# KiCad board microsdmapper.kicad_pcb
title: microSDMapper v1.2; date: 2023-08-27; rev: 1.2; company: The Retro Hacker; note: Original circuit by Luciano Sturaro; note: Reloaded by Cristiano Goncalves; note: microSDMapper v1.2
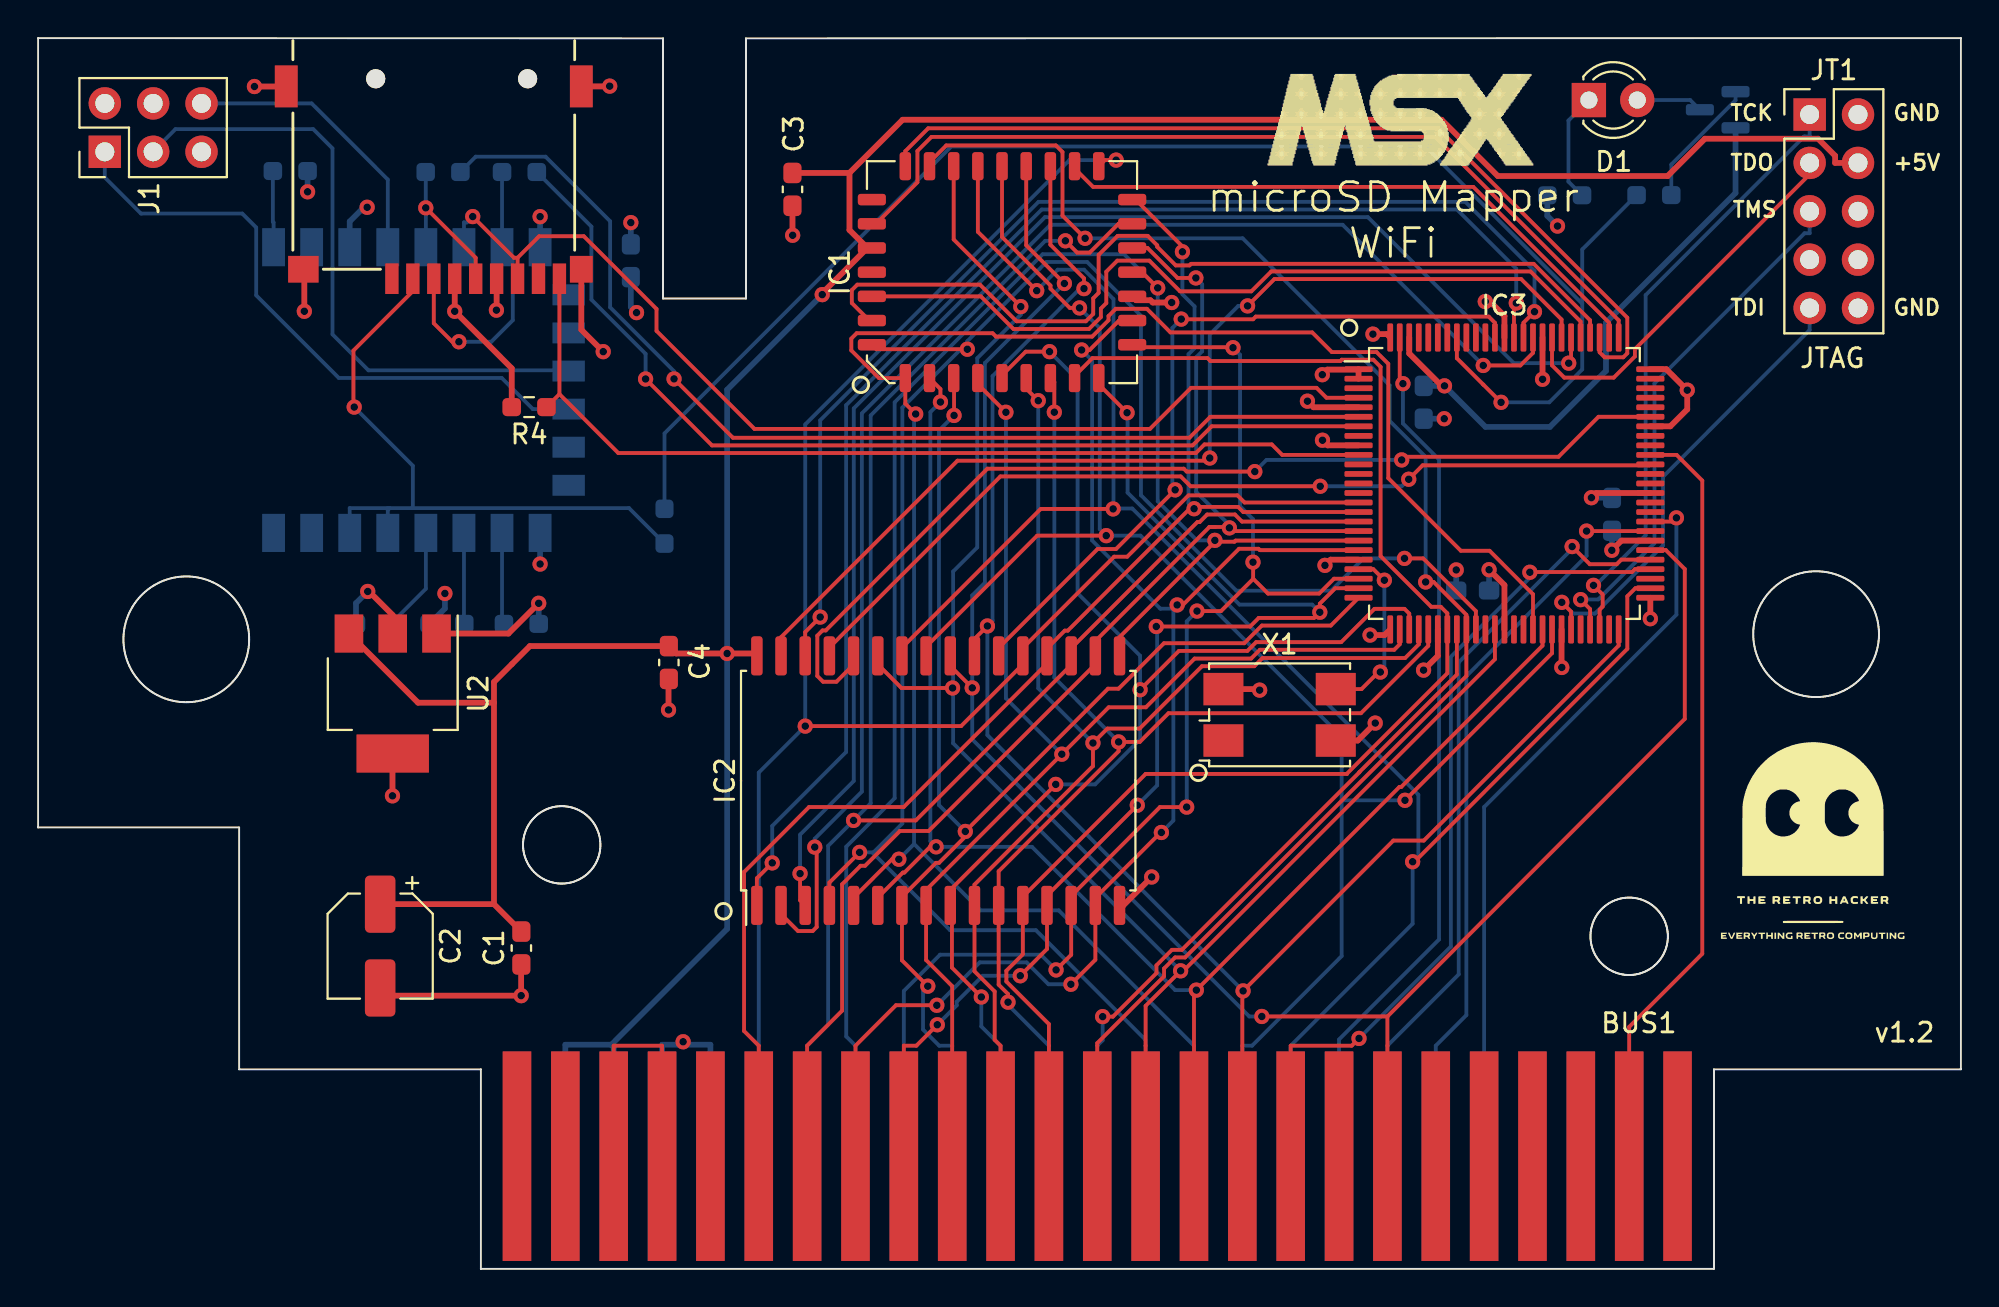
[diagram p0: board, top side]
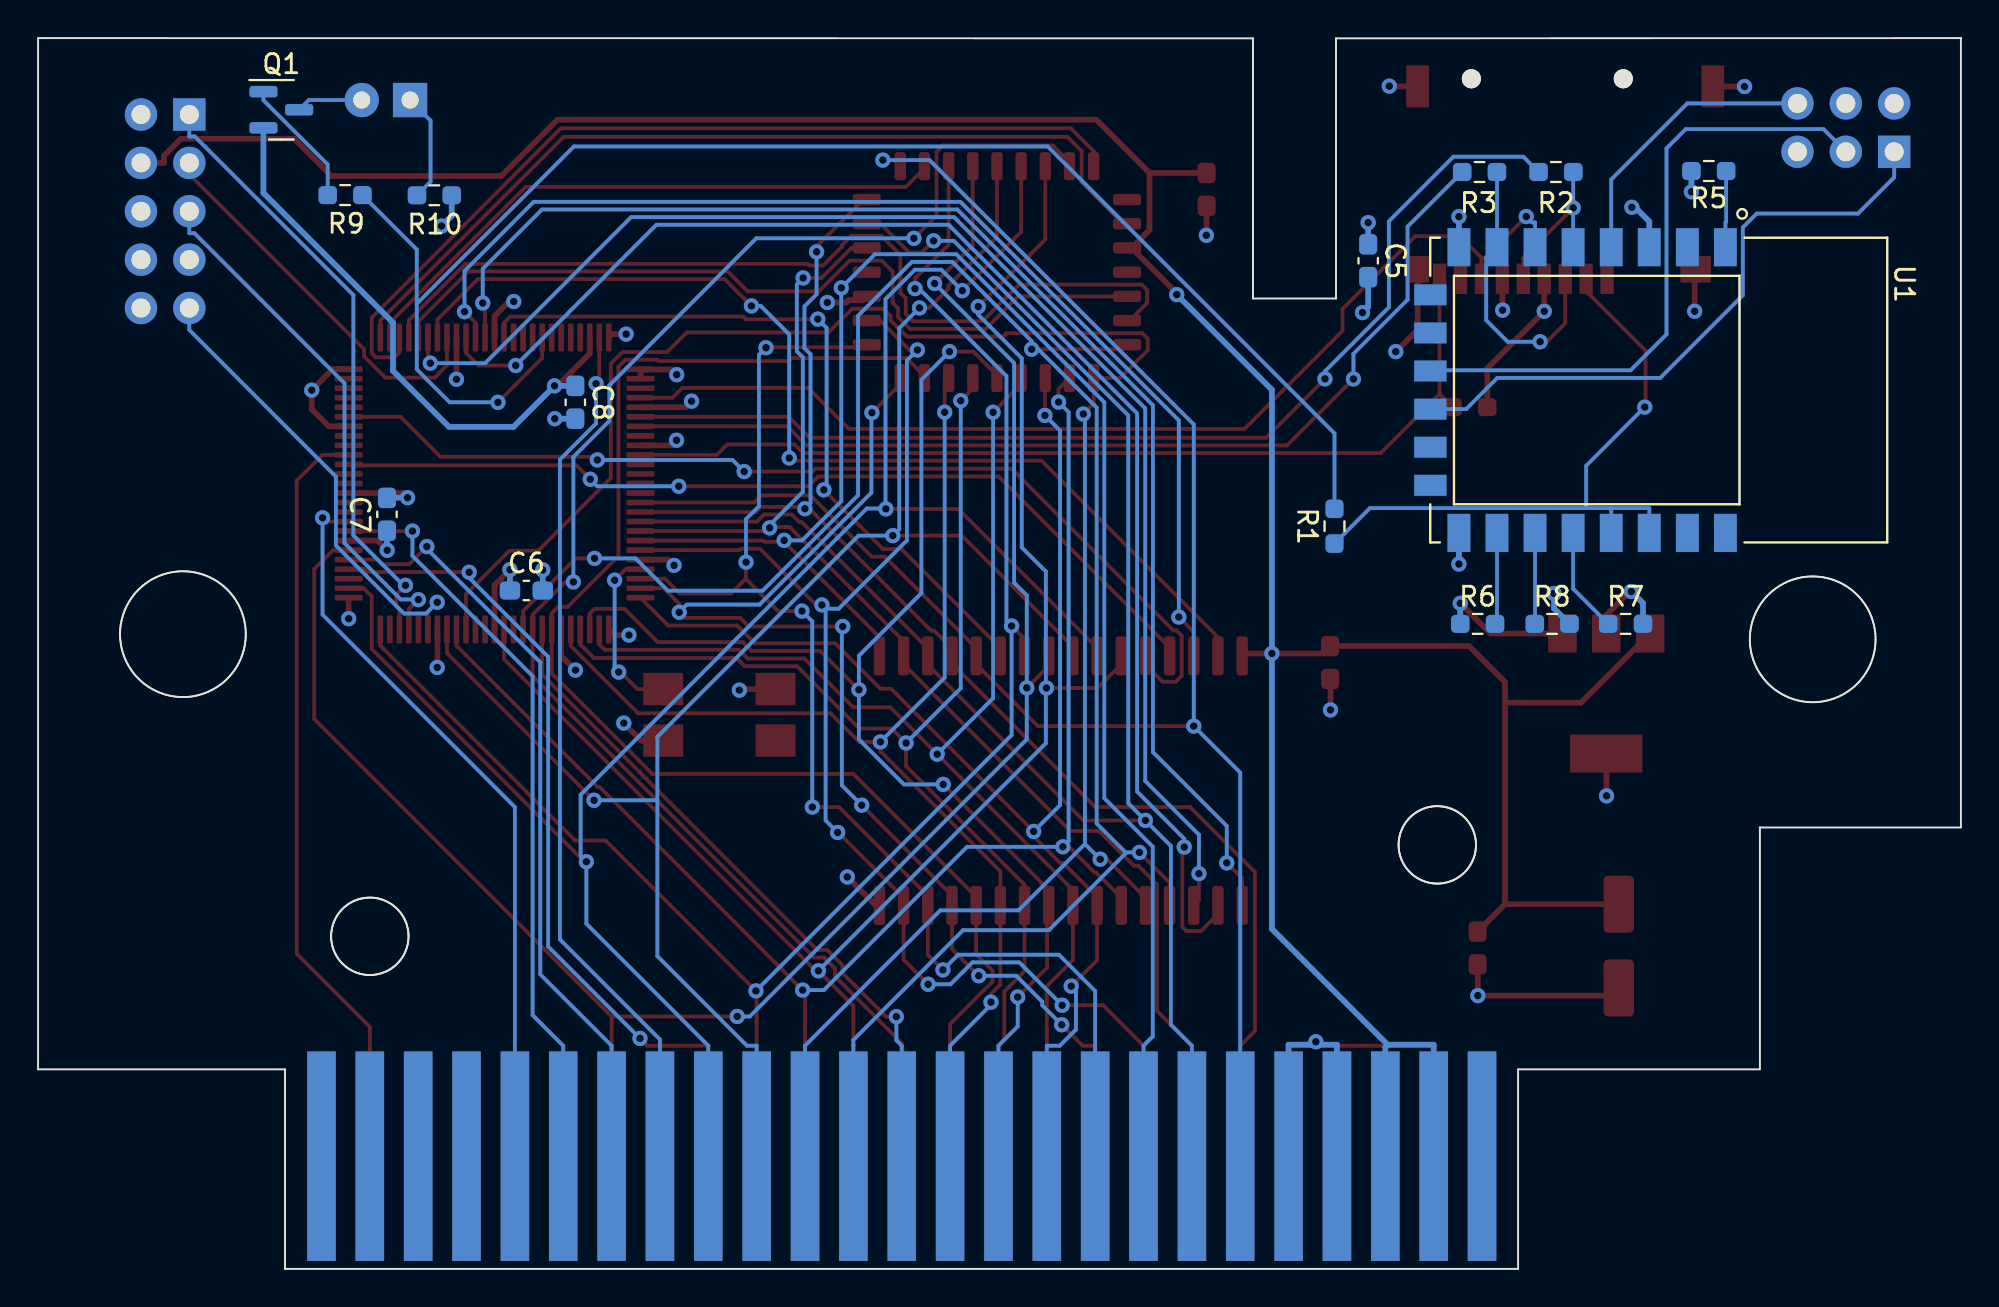
[diagram p1: board, bottom side, seen from below]

Outline 101 x 64.62 mm; copper layers: Top, In1.Cu (plane), In2.Cu (plane), Bottom. Coordinates in mm from the lower left corner of the outline.
Stack: Top 0.035mm / dielectric 0.1mm FR4 er 4.5 / In1.Cu 0.035mm / dielectric 1.24mm FR4 er 4.5 / In2.Cu 0.035mm / dielectric 0.1mm FR4 er 4.5 / Bottom 0.035mm

## Placement (name value [footprint] x y rotation side)
BUS1  MSX_SLOT_EDGE-CON  [msx_cartridge]  55.64 5.79 0 top
C1  0.1uF  [C_0603_1608Metric_Pad1.08x0.95mm_HandSolder]  25.39 16.85 90 top
C2  100uF  [CP_Elec_5x4.5]  17.97 16.95 270 top
C3  0.1uF  [C_0603_1608Metric_Pad1.08x0.95mm_HandSolder]  39.63 56.68 270 top
C4  0.1uF  [C_0603_1608Metric_Pad1.08x0.95mm_HandSolder]  33.13 31.84 270 top
C5  0.1uF  [C_0603_1608Metric_Pad1.08x0.95mm_HandSolder]  31.14 52.93 270 bottom
C6  0.1uF  [C_0603_1608Metric_Pad1.08x0.95mm_HandSolder]  75.35 35.62 180 bottom
C7  0.1uF  [C_0603_1608Metric_Pad1.08x0.95mm_HandSolder]  82.67 39.62 90 bottom
C8  0.1uF  [C_0603_1608Metric_Pad1.08x0.95mm_HandSolder]  72.78 45.5 270 bottom
D1  LED  [LED_D3.0mm]  81.46 61.37 0 top
GLOGO  LOGO  [TRH]  93.25 22.54 0 top
IC1  M29F010  [PLCC-32_11.4x14.0mm_P1.27mm]  50.63 52.33 90 top
IC2  HM628512  [SSOP-32_11.305x20.495mm_P1.27mm]  47.28 25.64 90 top
IC3  XC95144XL_TQ100  [VQFP-100_14x14mm_P0.5mm]  77.02 41.24 0 top
J1  Conn_02x03_Odd_Even  [PinHeader_2x03_P2.54mm_Vertical]  3.51 58.65 90 top
J2  Micro_SD_Card_Det1  [Conn_uSDcard]  20.79 62.48 180 top
JT1  JTAG1A  [PinHeader_2x05_P2.54mm_Vertical]  93.06 60.61 0 top
LOGO_MSX  -  [LOGO_MSX]  63.54 63.63 0 top
Q1  BC858  [SOT-23]  88.23 60.86 180 bottom
R1  1K  [R_0603_1608Metric_Pad0.98x0.95mm_HandSolder]  32.9 38.99 90 bottom
R2  1K  [R_0603_1608Metric_Pad0.98x0.95mm_HandSolder]  21.27 57.59 0 bottom
R3  1K  [R_0603_1608Metric_Pad0.98x0.95mm_HandSolder]  25.28 57.59 0 bottom
R4  4.7K  [R_0603_1608Metric_Pad0.98x0.95mm_HandSolder]  25.79 45.24 180 top
R5  10K  [R_0603_1608Metric_Pad0.98x0.95mm_HandSolder]  13.24 57.64 0 bottom
R6  1K  [R_0603_1608Metric_Pad0.98x0.95mm_HandSolder]  25.38 33.87 180 bottom
R7  10K  [R_0603_1608Metric_Pad0.98x0.95mm_HandSolder]  17.61 33.87 180 bottom
R8  10K  [R_0603_1608Metric_Pad0.98x0.95mm_HandSolder]  21.47 33.87 180 bottom
R9  4.7K  [R_0603_1608Metric_Pad0.98x0.95mm_HandSolder]  84.88 56.38 0 bottom
R10  330  [R_0603_1608Metric_Pad0.98x0.95mm_HandSolder]  80.19 56.37 0 bottom
U1  ESP8266-12E/ESP-12E  [XCVR_ESP8266-12E_ESP-12E]  19.37 46.14 270 bottom
U2  LM1117MP-3.3  [SOT-223-3_TabPin2]  18.63 30.21 270 top
X1  25 Mhz  [Crystal_SMD_7050-4Pin_7.0x5.0mm]  65.21 29.09 0 top

## Library data of the parts
BUS1 = -: Description: MSX-compatible edge-connector for the cartridge slots used in the MSX-standard.; MPN: n/a; Manufacturer: n/a
C1 C3-C8 = -: Description: Unpolarized capacitor
C2 = -: Description: Polarized capacitor
D1 = -: Description: Light emitting diode
J1 = -: Description: Generic connector, double row, 02x03, odd/even pin numbering scheme (row 1 odd numbers, row 2 even numbers), script generated (kicad-library-utils/schlib/autogen/connector/)
J2 = -: Description: Micro SD Card Socket with one card detection pin
Q1 = -: Description: 0.1A Ic, 30V Vce, PNP Transistor, SOT-23
R1-R10 = -: Description: Resistor
U1 = -: MANUFACTURER: AI-Thinker
U2 = -: Description: 800mA Low-Dropout Linear Regulator, 3.3V fixed output, SOT-223

## Footprints (pads in the part's own frame, mm; a bottom-side part is the same pattern mirrored in y, then rotated)
C_0603_1608Metric_Pad1.08x0.95mm_HandSolder
  rrect 1.075x0.95 smd: 1(-0.863,0) 2(0.863,0)
Conn_uSDcard
  round 1 hole 1 unplated: (-4.93,0) (3.05,0)
  rect 0.7x1.6 smd: 1(2.2,10.5) 2(1.1,10.5) 3(0,10.5) 4(-1.1,10.5) 5(-2.2,10.5) 6(-3.3,10.5) 7(-4.4,10.5) 8(-5.5,10.5) 9(-6.6,10.5)
  rect 1.2x1.4 smd: 6(-7.75,10)
  rect 1.2x2.2 smd: 6(-7.75,0.4) 6(7.75,0.4)
  rect 1.6x1.4 smd: 6(6.85,10)
CP_Elec_5x4.5
  rrect 3x1.6 smd: 1(-2.2,0) 2(2.2,0)
Crystal_SMD_7050-4Pin_7.0x5.0mm
  rect 2.1x1.7 smd: 1(-2.95,-1.35) 2(2.95,-1.35) 3(2.95,1.35) 4(-2.95,1.35)
LED_D3.0mm
  rect 1.8x1.8 hole 0.9: 1(0,0)
  round 1.8 hole 0.9: 2(2.54,0)
msx_cartridge
  rect 1.5x11 smd far side: 1(30.48,0.127) 3(27.94,0.127) 5(25.4,0.127) 7(22.86,0.127) 9(20.32,0.127) 11(17.78,0.127) 13(15.24,0.127) 15(12.7,0.127) 17(10.16,0.127) 19(7.62,0.127) 21(5.08,0.127) 23(2.54,0.127) 25(0,0.127) 27(-2.54,0.127) 29(-5.08,0.127) 31(-7.62,0.127) 33(-10.16,0.127) 35(-12.7,0.127) 37(-15.24,0.127) 39(-17.78,0.127) 41(-20.32,0.127) 43(-22.86,0.127) 45(-25.4,0.127) 47(-27.94,0.127) 49(-30.48,0.127)
  rect 1.5x11 smd: 2(30.48,0.127) 4(27.94,0.127) 6(25.4,0.127) 8(22.86,0.127) 10(20.32,0.127) 12(17.78,0.127) 14(15.24,0.127) 16(12.7,0.127) 18(10.16,0.127) 20(7.62,0.127) 22(5.08,0.127) 24(2.54,0.127) 26(0,0.127) 28(-2.54,0.127) 30(-5.08,0.127) 32(-7.62,0.127) 34(-10.16,0.127) 36(-12.7,0.127) 38(-15.24,0.127) 40(-17.78,0.127) 42(-20.32,0.127) 44(-22.86,0.127) 46(-25.4,0.127) 48(-27.94,0.127) 50(-30.48,0.127)
PinHeader_2x03_P2.54mm_Vertical
  rect 1.7x1.7 hole 1: 1(0,0)
  oval 1.7x1.7 hole 1: 2(2.54,0) 3(0,-2.54) 4(2.54,-2.54) 5(0,-5.08) 6(2.54,-5.08)
PinHeader_2x05_P2.54mm_Vertical
  rect 1.7x1.7 hole 1: 1(0,0)
  oval 1.7x1.7 hole 1: 2(2.54,0) 3(0,-2.54) 4(2.54,-2.54) 5(0,-5.08) 6(2.54,-5.08) 7(0,-7.62) 8(2.54,-7.62) 9(0,-10.16) 10(2.54,-10.16)
PLCC-32_11.4x14.0mm_P1.27mm
  rrect 0.6x1.475 smd: 1(0,6.838) 2(-1.27,6.838) 3(-2.54,6.838) 4(-3.81,6.838) 14(-3.81,-6.838) 15(-2.54,-6.838) 16(-1.27,-6.838) 17(0,-6.838) 18(1.27,-6.838) 19(2.54,-6.838) 20(3.81,-6.838) 30(3.81,6.838) 31(2.54,6.838) 32(1.27,6.838)
  rrect 1.475x0.6 smd: 5(-5.562,5.08) 6(-5.562,3.81) 7(-5.562,2.54) 8(-5.562,1.27) 9(-5.562,0) 10(-5.562,-1.27) 11(-5.562,-2.54) 12(-5.562,-3.81) 13(-5.562,-5.08) 21(5.562,-5.08) 22(5.562,-3.81) 23(5.562,-2.54) 24(5.562,-1.27) 25(5.562,0) 26(5.562,1.27) 27(5.562,2.54) 28(5.562,3.81) 29(5.562,5.08)
R_0603_1608Metric_Pad0.98x0.95mm_HandSolder
  rrect 0.975x0.95 smd: 1(-0.912,0) 2(0.912,0)
SOT-23
  rrect 1.475x0.6 smd: 1(-0.938,0.95) 2(-0.938,-0.95) 3(0.938,0)
SOT-223-3_TabPin2
  rect 2x1.5 smd: 1(-3.15,2.3) 2(-3.15,0) 3(-3.15,-2.3)
  rect 2x3.8 smd: 2(3.15,0)
SSOP-32_11.305x20.495mm_P1.27mm
  rrect 2.05x0.6 smd: 1(-6.55,9.525) 2(-6.55,8.255) 3(-6.55,6.985) 4(-6.55,5.715) 5(-6.55,4.445) 6(-6.55,3.175) 7(-6.55,1.905) 8(-6.55,0.635) 9(-6.55,-0.635) 10(-6.55,-1.905) 11(-6.55,-3.175) 12(-6.55,-4.445) 13(-6.55,-5.715) 14(-6.55,-6.985) 15(-6.55,-8.255) 16(-6.55,-9.525) 17(6.55,-9.525) 18(6.55,-8.255) 19(6.55,-6.985) 20(6.55,-5.715) 21(6.55,-4.445) 22(6.55,-3.175) 23(6.55,-1.905) 24(6.55,-0.635) 25(6.55,0.635) 26(6.55,1.905) 27(6.55,3.175) 28(6.55,4.445) 29(6.55,5.715) 30(6.55,6.985) 31(6.55,8.255) 32(6.55,9.525)
VQFP-100_14x14mm_P0.5mm
  rrect 1.475x0.3 smd: 1(-7.662,6) 2(-7.662,5.5) 3(-7.662,5) 4(-7.662,4.5) 5(-7.662,4) 6(-7.662,3.5) 7(-7.662,3) 8(-7.662,2.5) 9(-7.662,2) 10(-7.662,1.5) 11(-7.662,1) 12(-7.662,0.5) 13(-7.662,0) 14(-7.662,-0.5) 15(-7.662,-1) 16(-7.662,-1.5) 17(-7.662,-2) 18(-7.662,-2.5) 19(-7.662,-3) 20(-7.662,-3.5) 21(-7.662,-4) 22(-7.662,-4.5) 23(-7.662,-5) 24(-7.662,-5.5) 25(-7.662,-6) 51(7.662,-6) 52(7.662,-5.5) 53(7.662,-5) 54(7.662,-4.5) 55(7.662,-4) 56(7.662,-3.5) 57(7.662,-3) 58(7.662,-2.5) 59(7.662,-2) 60(7.662,-1.5) 61(7.662,-1) 62(7.662,-0.5) 63(7.662,0) 64(7.662,0.5) 65(7.662,1) 66(7.662,1.5) 67(7.662,2) 68(7.662,2.5) 69(7.662,3) 70(7.662,3.5) 71(7.662,4) 72(7.662,4.5) 73(7.662,5) 74(7.662,5.5) 75(7.662,6)
  rrect 0.3x1.475 smd: 26(-6,-7.662) 27(-5.5,-7.662) 28(-5,-7.662) 29(-4.5,-7.662) 30(-4,-7.662) 31(-3.5,-7.662) 32(-3,-7.662) 33(-2.5,-7.662) 34(-2,-7.662) 35(-1.5,-7.662) 36(-1,-7.662) 37(-0.5,-7.662) 38(0,-7.662) 39(0.5,-7.662) 40(1,-7.662) 41(1.5,-7.662) 42(2,-7.662) 43(2.5,-7.662) 44(3,-7.662) 45(3.5,-7.662) 46(4,-7.662) 47(4.5,-7.662) 48(5,-7.662) 49(5.5,-7.662) 50(6,-7.662) 76(6,7.662) 77(5.5,7.662) 78(5,7.662) 79(4.5,7.662) 80(4,7.662) 81(3.5,7.662) 82(3,7.662) 83(2.5,7.662) 84(2,7.662) 85(1.5,7.662) 86(1,7.662) 87(0.5,7.662) 88(0,7.662) 89(-0.5,7.662) 90(-1,7.662) 91(-1.5,7.662) 92(-2,7.662) 93(-2.5,7.662) 94(-3,7.662) 95(-3.5,7.662) 96(-4,7.662) 97(-4.5,7.662) 98(-5,7.662) 99(-5.5,7.662) 100(-6,7.662)
XCVR_ESP8266-12E_ESP-12E
  rect 2x1.2 smd: 1(-7.5,7) 2(-7.5,5) 3(-7.5,3) 4(-7.5,1) 5(-7.5,-1) 6(-7.5,-3) 7(-7.5,-5) 8(-7.5,-7) 15(7.5,-7) 16(7.5,-5) 17(7.5,-3) 18(7.5,-1) 19(7.5,1) 20(7.5,3) 21(7.5,5) 22(7.5,7)
  rect 1.1x1.7 smd: 9(-5,-8.5) 10(-3,-8.5) 11(-1,-8.5) 12(1,-8.5) 13(3,-8.5) 14(5,-8.5)

## Nets
+3.3V: C5.1 C6.1 C7.1 C8.1 IC3.1 IC3.2 IC3.5 IC3.26 IC3.38 IC3.51 IC3.57 IC3.88 IC3.98 J1.2 J2.4 Q1.2 R4.2 R5.2 R7.2 R8.2 U1.3 U1.8 U2.2 X1.4
+5V: BUS1.45 BUS1.47 C1.2 C2.1 C3.1 C4.1 IC1.32 IC2.32 JT1.4 U2.3
GND: BUS1.41 BUS1.43 C1.1 C2.2 C3.2 C4.2 C5.2 C6.2 C7.2 C8.2 IC1.16 IC2.16 IC3.9 IC3.21 IC3.31 IC3.44 IC3.62 IC3.69 IC3.75 IC3.84 IC3.100 J1.4 J2.6 JT1.2 JT1.10 R6.1 R10.1 U1.15 U2.1 X1.2
/MSX_A0: BUS1.28 IC1.12 IC2.12 IC3.32
/MSX_A1: BUS1.27 IC1.11 IC2.11 IC3.30
/MSX_A2: BUS1.30 IC1.10 IC2.10 IC3.29
/MSX_A3: BUS1.29 IC1.9 IC2.9 IC3.28
/MSX_A4: BUS1.32 IC1.8 IC2.8 IC3.27
/MSX_A5: BUS1.31 IC1.7 IC2.7 IC3.25
/MSX_A6: BUS1.22 IC1.6 IC2.6 IC3.42
/MSX_A7: BUS1.21 IC1.5 IC2.5 IC3.41
/MSX_A8: BUS1.24 IC1.27 IC2.27 IC3.37
/MSX_A9: BUS1.17 IC1.26 IC2.26 IC3.52
/MSX_A10: BUS1.20 IC1.23 IC2.23 IC3.50
/MSX_A11: BUS1.19 IC1.25 IC2.25 IC3.43
/MSX_A12: BUS1.23 IC1.4 IC2.4 IC3.35
/MSX_A13: BUS1.26 IC1.28 IC3.34
/MSX_A14: BUS1.25 IC3.33
/MSX_A15: BUS1.18 IC3.54
/MSX_D0: BUS1.34 IC1.13 IC2.13 IC3.24
/MSX_D1: BUS1.33 IC1.14 IC2.14 IC3.23
/MSX_D2: BUS1.36 IC1.15 IC2.15 IC3.20
/MSX_D3: BUS1.35 IC1.17 IC2.17 IC3.19
/MSX_D4: BUS1.38 IC1.18 IC2.18 IC3.18
/MSX_D5: BUS1.37 IC1.19 IC2.19 IC3.17
/MSX_D6: BUS1.40 IC1.20 IC2.20 IC3.16
/MSX_D7: BUS1.39 IC1.21 IC2.21 IC3.15
/MSX_IORQ: BUS1.11 IC3.58
/MSX_M1: BUS1.9 IC3.59
/MSX_RD: BUS1.14 IC1.24 IC2.24 IC3.56
/MSX_RESET: BUS1.15 IC3.99
/MSX_SLTSL: BUS1.4 IC3.66
/MSX_WR: BUS1.13 IC3.55
/RAM_A13: IC2.28 IC3.70
/RAM_A14: IC2.3 IC3.81
/RAM_A15: IC2.31 IC3.82
/RAM_A16: IC2.2 IC3.85
/RAM_A17: IC2.30 IC3.86
/RAM_A18: IC2.1 IC3.87
/RAM_CS: IC2.22 IC3.89
/RAM_WE: IC2.29 IC3.65
/ROM_A14: IC1.29 IC3.78
/ROM_A15: IC1.3 IC3.79
/ROM_A16: IC1.2 IC3.80
/ROM_CS: IC1.22 IC3.77
/ROM_WE: IC1.31 IC3.76
/SD_CD0: IC3.10 J2.9 R4.1
/SD_CS0: IC3.93 R1.2 R9.1
/SD_MISO: IC3.4 J2.7 U1.6
/SD_MOSI: IC3.7 R3.2
/SD_SCLK: IC3.6 R2.2
Net-(BUS1-SW1): BUS1.44 BUS1.46
Net-(D1-A): D1.2 Q1.3
Net-(D1-K): D1.1 R10.2
Net-(IC3-PB00_16/GCK1): IC3.22 X1.3
Net-(IC3-TCK): IC3.48 JT1.1
Net-(IC3-TDI): IC3.45 JT1.9
Net-(IC3-TDO): IC3.83 JT1.3
Net-(IC3-TMS): IC3.47 JT1.5
Net-(J1-Pin_1): J1.1 U1.12
Net-(J1-Pin_3): J1.3 U1.11
Net-(J1-Pin_6): J1.6 U1.4
Net-(J2-CLK): J2.5 R2.1 U1.5
Net-(J2-CMD): J2.3 R3.1 U1.7
Net-(J2-DAT3/CD): J2.2 R1.1 U1.19 U1.20
Net-(Q1-B): Q1.1 R9.2
Net-(U1-IO0): R7.1 U1.18
Net-(U1-IO2): R8.1 U1.17
Net-(U1-IO15): R6.2 U1.16
Net-(U1-RESET): R5.1 U1.1

Pads without a net: BUS1 1 2 3 5 6 7 8 10 12 16 42 48 49 50; IC1 1 30; IC3 3 8 11 12 13 14 36 39 40 46 49 53 60 61 63 64 67 68 71 72 73 74 90 91 92 94 95 96 97; J1 5; J2 1 8; JT1 6 7 8; U1 2 9 10 13 14 21 22; X1 1

## Via types
v1: diameter 0.8, hole 0.4, Top to Bottom, 145 vias

## Routing (per net, layer and track width the routed paths; a pad name or vN(x,y) marks a point on that pad's centre or on a via; arc(x,y) is an arc through that point)
+3.3V: length 73.8
  Top w0.3: IC3.98 72.02,48.06 73.72,46.36 v1(73.87,46.36) ; U2.2 18.63,34.32 17.39,35.57 v1(17.32,35.57) ; v1(69.97,33.28) 70.73,33.28 IC3.26 ; IC3.5 67,45.24 v1(66.68,45.56) ; R4.2 24.88,47.28 v1(21.89,50.28) J2.4 ; IC3.2 IC3.1 69.34,47.21 67.72,47.21 v1(67.46,46.95) ; v1(76.02,50.79) 76.27,50.79 77.02,50.03 IC3.88 ; v1(84.69,34.14) IC3.51 ; v1(64.17,30.39) 64.11,30.44 X1.4 ; U2.2 18.62,27.04 v1(18.62,24.84) ; IC3.38 77.02,35.9 v1(76.22,36.71) ; v1(82.66,37.73) 83.17,38.24 IC3.57
  Bottom w0.3: v1(17.29,55.74) 17.11,55.74 16.37,54.99 U1.3 ; C8.1 v1(73.87,46.36) 76.03,44.21 79.42,44.21 82.36,47.15 82.36,49.68 89.16,56.49 Q1.2 ; v1(14.16,56.55) R5.2 ; v1(82.66,37.73) 82.67,37.74 C7.1 ; v1(31.14,54.93) C5.1 ; v1(21.37,35.46) 21.37,34.67 R8.2 ; v1(17.32,35.57) 16.7,34.95 R7.2 ; C6.1 v1(76.22,36.71) ; v1(26.37,55.24) U1.8
+5V: length 169.6
  Top w0.3: 42.62,57.54 45.41,60.33 73.72,60.33 76.67,57.38 85.59,57.38 87.55,59.34 93.5,59.34 94.39,58.44 94.39,58.07 JT1.4 ; 42.62,57.54 42.62,54.54 43.56,53.6 ; 42.62,57.54 C3.1 ; C1.2 23.95,19.15 ; 23.95,19.15 23.95,29.73 ; 23.95,19.15 C2.1 ; U2.3 19.96,29.73 23.95,29.73 ; v1(41.19,51.15) 41.19,51.23 43.56,53.6 ; 23.95,29.73 23.95,30.81 25.83,32.7 C4.1 33.52,32.31 v1(36.19,32.31) 37.63,32.31 IC2.32 ; 43.56,53.6 IC1.32
  Bottom w0.3: v1(41.19,51.15) 36.19,46.16 v1(36.19,32.31) 36.19,17.85 30.11,11.77 ; BUS1.45 30.24,11.64 30.11,11.77 ; 30.11,11.77 27.7,11.77 BUS1.47
GND: length 81.9
  Top w0.3: v1(24.08,50.34) 24.09,50.35 J2.6 ; IC2.16 57,19.09 v1(58.5,20.58) ; v1(67.6,36.94) 67.9,37.24 IC3.21 ; v1(13.99,50.28) 13.99,52.43 J2.6 ; v1(70.24,28.66) 69.32,27.74 X1.2 ; IC3.100 70.85,49.08 v1(70.12,49.08) ; v1(11.37,62.08) 13.03,62.08 J2.6 ; v1(72.78,31.44) 73.52,32.18 IC3.31 ; IC3.69 85.74,44.24 86.63,45.13 v1(86.63,46.14) 85.52,47.24 IC3.75 ; J2.6 30.01,62.08 v1(30.03,62.1) ; C4.2 33.12,30.96 v1(33.12,29.35) ; v1(26.3,34.95) 24.71,33.36 U2.1 ; v1(59.55,50.74) 58.55,50.74 58.43,50.86 57.67,50.86 IC1.16 ; IC3.44 80.02,31.59 v1(80.04,31.58) ; v1(29.69,48.16) 28.54,49.31 J2.6 ; v1(67.47,43.51) 67.74,43.24 IC3.9 ; IC3.84 79.02,46.71 v1(79.03,46.71) ; IC3.62 81.84,40.74 v1(81.59,40.49) ; C1.1 25.38,15.97 v1(25.38,14.35) 18.37,14.35 C2.2 ; C3.2 39.63,54.28 v1(39.64,54.27)
  Bottom w0.3: 33.88,11.77 32.78,11.77 BUS1.43 ; 33.88,11.77 v1(33.88,11.92) ; 33.88,11.77 35.32,11.77 BUS1.41 ; R10.1 79.27,55.29 v1(79.81,54.75) ; v1(31.44,50.21) 31.14,50.51 C5.2 ; C6.2 v1(74.49,36.7) ; v1(73.86,44.64) C8.2 ; v1(26.3,34.95) R6.1 ; v1(81.59,40.49) 82.66,40.49 C7.2 ; v1(26.37,37.01) U1.15
/MSX_A0: length 76.7
  Top w0.2: BUS1.28 53.1,12.85 50.86,15.09 50.86,15.65 51.73,16.52 IC2.12 51.73,19.54 58.18,25.99 68.75,25.99 68.75,26 74.02,31.27 IC3.32 74.02,34.42 73.68,34.76 73.18,34.76 70.52,37.42 70.52,47.36 70.14,47.73 68.47,47.73 68.4,47.66 61.58,47.66 61.43,47.82 55.38,47.82 54.44,46.88 IC1.12
/MSX_A1: length 65.3
  Top w0.2: v1(53.38,44.98) 53.38,46.56 IC1.11 ; v1(50.95,14) 50.95,14.43 50.46,14.92 IC2.11 50.46,20.88 56.76,27.18 v1(56.76,27.67) 57.87,27.67 59.38,29.17 69.48,29.17 73.02,32.71 IC3.30
  Bottom w0.2: v1(53.38,44.98) 53.38,31.04 v1(56.76,27.67) ; BUS1.27 53.1,11.72 50.95,13.87 v1(50.95,14)
/MSX_A2: length 65.5
  Top w0.2: IC3.29 72.52,32.79 71.8,32.07 64.31,32.07 63.88,31.64 61.13,31.64 57.86,28.37 56.17,28.37 v1(55.41,27.61) 55.41,26.4 49.19,20.17 IC2.10 49.19,15.63 50.25,14.57 50.25,12.03 50.56,11.72 BUS1.30 ; v1(52.54,45.58) 51.9,46.22 IC1.10
  Bottom w0.2: v1(52.54,45.58) 52.54,30.48 v1(55.41,27.61)
/MSX_A3: length 70.6
  Top w0.2: 48,19.09 48,19.98 v1(53.46,25.44) ; 48,19.09 IC2.9 ; 48,19.09 48,15.82 v1(49.54,14.27) ; v1(57.89,30.41) 59.92,32.45 63.52,32.45 63.98,32.91 68.45,32.91 70.19,34.65 71.77,34.65 72.02,34.4 IC3.28 ; v1(53.13,48.16) 51.88,48.16 50.63,46.91 IC1.9
  Bottom w0.2: BUS1.29 50.56,11.72 49.54,12.73 v1(49.54,14.27) ; v1(53.13,48.16) 54.6,46.68 54.6,35.48 57.89,32.19 v1(57.89,30.41) 57.89,27.8 55.52,25.44 v1(53.46,25.44)
/MSX_A4: length 67.1
  Top w0.2: IC1.8 49.36,46.45 v1(50.84,44.98) ; IC3.27 71.52,32.79 71.23,32.5 64.18,32.5 63.72,32.04 60.75,32.04 58.19,29.48 56.23,29.48 v1(53.77,27.02) 46.65,19.9 IC2.8 46.65,16.21 48.02,14.84 BUS1.32
  Bottom w0.2: v1(50.84,44.98) 50.84,29.96 v1(53.77,27.02)
/MSX_A5: length 70.7
  Top w0.2: v1(46.73,14.84) 45.38,16.2 IC2.7 45.38,19.53 47.16,21.32 47.33,21.32 48.7,22.7 v1(48.7,22.97) 56.2,30.46 56.75,30.46 59.14,32.85 63.35,32.85 64.28,33.78 67.9,33.78 IC3.25 ; v1(48.11,44.81) 48.11,46.75 IC1.7
  Bottom w0.2: BUS1.31 48.02,11.72 47.33,11.72 46.48,12.57 46.48,14.59 v1(46.73,14.84) ; v1(48.11,44.81) 47.32,44.02 47.32,24.35 v1(48.7,22.97)
/MSX_A6: length 81.9
  Top w0.2: IC2.6 44.11,19.49 45.42,20.81 45.5,20.81 46.86,22.16 v1(47.17,22.16) ; IC1.6 47.4,46.19 v1(47.4,45.51) ; BUS1.22 60.72,14.51 v1(60.84,14.64) 71.51,25.31 71.61,25.31 79.02,32.72 IC3.42
  Bottom w0.2: v1(47.4,45.51) 46.87,44.98 46.87,22.46 v1(47.17,22.16) 52.21,22.16 59.73,14.64 v1(60.84,14.64)
/MSX_A7: length 106.7
  Top w0.2: v1(45.21,21.51) 44.85,21.51 42.84,19.49 IC2.5 ; v1(46.1,44.88) 45.55,45.43 IC1.5 44.17,46.77 42.72,48.22 42.72,48.84 43,49.12 50.14,49.12 50.32,48.95 55.37,48.95 56.23,49.81 56.23,50.03 56.61,50.41 58.24,50.41 59.48,49.17 66.93,49.17 67.96,48.13 70.3,48.13 70.92,47.52 70.92,41.51 74.73,37.7 76.24,37.7 78.52,35.42 IC3.41
  Bottom w0.2: v1(46.1,44.88) 46.01,44.8 46.01,22.31 ; 46.01,22.31 v1(45.21,21.51) ; 46.01,22.31 49.5,18.82 53.61,18.82 60.72,11.72 BUS1.21
/MSX_A8: length 90.4
  Top w0.2: BUS1.24 58.18,13.81 v1(60.01,15.65) 60.16,15.65 76.52,32.01 IC3.37 ; IC2.27 44.11,31.74 45.35,30.5 v1(48.04,30.5) ; v1(51.62,50.52) 48.09,54.05 IC1.27
  Bottom w0.2: 48.06,30.5 48.06,36.62 49.33,37.88 49.33,47.81 51.62,50.1 v1(51.62,50.52) ; 48.06,30.5 v1(48.04,30.5) ; 48.06,30.5 48.06,27.6 v1(60.01,15.65)
/MSX_A9: length 102.5
  Top w0.2: v1(72.2,21.38) 72.3,21.38 83.48,32.55 83.48,35.31 83.9,35.74 IC3.52 ; v1(56.47,39.9) 52.67,39.9 45.38,32.61 IC2.26 ; v1(52.46,51.36) 49.36,54.45 IC1.26
  Bottom w0.2: v1(52.46,51.36) 53.56,52.46 54.94,52.46 56.49,50.91 56.49,39.92 57.47,39.92 72.5,24.9 72.5,21.68 v1(72.2,21.38) 72.2,18.12 65.8,11.72 BUS1.17
/MSX_A10: length 90.4
  Top w0.2: v1(49.86,33.75) 49.19,33.07 IC2.23 ; IC3.50 83.02,32.73 72.78,22.49 71.19,22.49 v1(63.29,14.6) 63.26,14.56 BUS1.20 ; v1(54.94,51.47) 54.94,52.01 53.17,53.77 IC1.23
  Bottom w0.2: v1(63.29,14.6) 49.87,28.02 v1(49.87,33.75) 50.13,34.02 50.13,46.88 54.73,51.47 v1(54.94,51.47)
/MSX_A11: length 91
  Top w0.2: v1(54.7,50.45) 54.19,50.45 53.18,51.47 53.18,51.63 50.63,54.17 IC1.25 ; v1(71.8,24.6) 79.52,32.33 IC3.43 ; IC2.25 46.65,32.67 52.48,38.5 v1(56.11,38.5)
  Bottom w0.2: 68.47,24.6 v1(71.8,24.6) ; 68.47,24.6 68.47,27.93 57.91,38.5 v1(56.11,38.5) 55.77,38.84 55.77,49.39 v1(54.7,50.45) ; 68.47,24.6 68.47,16.42 63.77,11.72 63.26,11.72 BUS1.19
/MSX_A12: length 106.8
  Top w0.2: IC2.4 41.57,20.28 v1(43.15,21.87) ; IC1.4 44.03,48.28 v1(48.81,48.28) ; IC3.35 75.52,34.54 72.76,37.3 v1(71.77,37.3)
  Bottom w0.2: 43.88,21.87 v1(43.15,21.87) ; 43.88,21.87 45.4,23.38 45.4,45.22 48.46,48.28 v1(48.81,48.28) 48.81,48.71 52.97,52.87 55.1,52.87 57.93,50.04 57.93,40.62 62.94,35.61 67.92,35.61 69.62,37.3 v1(71.77,37.3) ; 43.88,21.87 43.88,21.81 47.91,17.78 52.41,17.78 58.18,12.02 BUS1.23
/MSX_A13: length 82.6
  Top w0.2: v1(55,54.11) 53.81,55.3 53.81,58.64 53.46,58.98 47.7,58.98 46.82,58.1 IC1.28 ; BUS1.26 55.64,11.85 59.14,15.36 59.14,15.77 59.72,16.35 60.25,16.35 75.02,31.13 IC3.34 75.02,34.35 73.3,36.06 v1(72.88,36.06)
  Bottom w0.2: v1(55,54.11) 63.27,54.11 70.99,46.39 70.99,44.52 72.88,42.63 v1(72.88,36.06)
/MSX_A14: length 36.1
  Top w0.2: v1(55.92,13.24) 56.46,13.24 58.74,15.53 58.74,15.94 59.56,16.75 60.08,16.75 69.4,26.08 69.4,26.09 74.52,31.2 IC3.33
  Bottom w0.2: BUS1.25 55.64,11.72 55.92,12 v1(55.92,13.24)
/MSX_A15: length 44.1
  Top w0.2: v1(78.36,36.57) 78.37,36.59 81.41,36.59 83.72,36.59 83.87,36.74 IC3.54 ; BUS1.18 65.8,11.72 69,11.72 v1(69.38,12.1)
  Bottom w0.2: v1(78.36,36.57) 78.36,36.29 74.21,32.14 74.21,16.92 v1(69.38,12.1)
/MSX_D0: length 65.9
  Top w0.2: BUS1.34 45.48,11.72 46.13,11.72 v1(47.23,12.82) ; v1(57.74,24.34) 53,19.6 IC2.13 53,16.8 v1(51.59,15.39) ; IC3.24 68.14,35.74 67.33,34.93 v1(67.33,34.48) 67.03,34.18 64.12,34.18 63.67,33.73 v1(58.74,33.73) ; IC1.13 55.71,46.44 v1(57.2,44.95)
  Bottom w0.2: v1(57.74,24.34) 58.78,25.39 58.78,33.68 v1(58.74,33.73) ; v1(67.33,34.48) 66.92,34.88 63.11,34.88 57.23,40.75 57.23,44.92 v1(57.2,44.95) ; v1(51.59,15.39) 49.62,15.39 48.25,14.02 48.25,13.84 v1(47.23,12.82)
/MSX_D1: length 68.3
  Top w0.2: 63.82,36.24 63.82,37.1 v1(63.81,37.11) ; 63.82,36.24 64.6,35.46 67.29,35.46 68.07,36.24 IC3.23 ; 63.82,36.24 63.82,36.22 62.14,34.54 v1(60.88,34.54) ; v1(53.47,15.7) 54.27,16.49 IC2.14 54.27,19.58 58.93,24.25 v1(60.33,24.25) ; v1(62.77,48.36) 62.74,48.39 57.6,48.39 IC1.14
  Bottom w0.2: BUS1.33 45.48,14.59 47.38,16.5 52.67,16.5 v1(53.47,15.7) ; v1(62.77,48.36) 63.14,47.99 63.14,40.04 63.81,39.36 v1(63.81,37.11) ; v1(60.88,34.54) 60.34,34 60.34,24.25 v1(60.33,24.25)
/MSX_D2: length 71.7
  Top w0.2: v1(59.83,34.86) 60.13,34.86 63.08,37.81 64.11,37.81 64.18,37.74 IC3.20 ; v1(54.81,48.25) 55.23,48.25 56.78,49.79 IC1.15 ; BUS1.36 42.94,11.72 45.06,13.84 v1(47.21,13.84) ; v1(54.25,14.94) 55.54,16.23 IC2.15 55.54,19.48 58.97,22.91 v1(59,22.91)
  Bottom w0.2: v1(54.25,14.94) 53.07,14.94 51.92,16.09 49.46,16.09 v1(47.21,13.84) ; 59.63,34.66 59.63,23.54 v1(59,22.91) ; 59.63,34.66 v1(59.83,34.86) ; 59.63,34.66 58.95,34.66 55.36,38.24 55.36,47.69 v1(54.81,48.25)
/MSX_D3: length 91.1
  Top w0.2: 61.81,38.18 62.84,38.18 62.9,38.24 IC3.19 ; 61.81,38.18 v1(61.81,38.25) ; 61.81,38.18 56.81,33.17 IC2.17 ; v1(58.81,51.5) 57.98,52.33 IC1.17
  Bottom w0.2: v1(61.81,38.25) 60.86,38.25 58.81,40.3 v1(58.81,51.5) 57.04,53.27 52.77,53.27 44.99,45.5 44.99,24.71 42.45,22.17 42.45,12.2 42.94,11.72 BUS1.35
/MSX_D4: length 69.9
  Top w0.2: 55.54,32.97 IC2.18 ; IC2.18 55.54,32.96 61.53,38.95 61.83,38.95 ; IC2.18 55.54,31.75 46.78,22.99 45.27,22.99 43.44,21.17 43.2,21.17 42.23,20.19 42.23,13.56 40.4,11.72 BUS1.38 ; 61.83,38.95 61.52,38.95 ; 61.83,38.95 62.53,38.95 v1(62.57,38.91) 62.74,38.74 IC3.18 ; IC1.18 58.28,53.6 59.85,52.03 v1(60.81,52.03)
  Bottom w0.2: v1(62.57,38.91) 62.57,39.05 60.83,40.79 60.83,47.86 61.15,48.18 61.15,51.7 v1(60.81,52.03)
/MSX_D5: length 92.5
  Top w0.2: v1(53.96,53.98) 54.58,53.36 55.24,53.36 56.75,54.87 IC1.19 ; IC3.17 63.24,39.24 62.87,39.61 61.41,39.61 61.01,39.21 60.89,39.21 54.27,32.58 IC2.19 54.27,31.71 46.1,23.55 v1(42.84,23.55)
  Bottom w0.2: BUS1.37 40.4,11.72 41.5,12.82 41.5,22.21 v1(42.84,23.55) 43.73,24.45 43.73,44.81 52.9,53.98 v1(53.96,53.98)
/MSX_D6: length 74.2
  Top w0.2: v1(60.72,39.91) 60.49,39.91 54.09,33.51 53.93,33.51 53,32.58 IC2.20 ; IC1.20 57.65,56.14 60.11,53.68 v1(60.11,53.4) ; IC2.20 53,32.58 ; IC2.20 53,31.78 45.47,24.25 40.5,24.25 37.08,20.84 37.08,12.49 37.86,11.72 BUS1.40 ; 60.82,40.01 63.03,40.01 63.3,39.74 IC3.16
  Bottom w0.2: v1(60.11,53.4) 60.11,51.17 60.75,50.53 60.75,48.34 60.43,48.02 60.43,40.2 v1(60.72,39.91)
/MSX_D7: length 97.3
  Top w0.2: IC1.21 56.03,58.21 v1(56.63,58.21) ; v1(40.3,28.5) 48.48,28.5 51.73,31.74 IC2.21 51.73,32.6 56.52,37.39 57.21,37.39 60.43,40.61 63,40.61 63.37,40.24 IC3.15
  Bottom w0.2: v1(56.63,58.21) 54.17,58.21 40.3,44.34 v1(40.3,28.5) 37.86,26.06 BUS1.39
/MSX_IORQ: length 39.4
  Top w0.2: IC3.58 v1(81.34,38.74)
  Bottom w0.2: BUS1.11 73.42,11.72 75.02,13.33 75.02,31.12 81.34,37.44 v1(81.34,38.74)
/MSX_M1: length 39.1
  Top w0.2: v1(86.06,39.43) 85.86,39.24 IC3.59
  Bottom w0.2: v1(86.06,39.43) 86.06,34.35 75.96,24.25 BUS1.9
/MSX_RD: length 102.4
  Top w0.2: IC3.56 85.5,37.74 86.5,36.74 86.5,28.87 70.88,13.25 ; 70.88,13.25 v1(64.28,13.25) ; 70.88,13.25 BUS1.14 ; IC1.24 51.9,53.74 v1(53.91,51.74) ; v1(49.07,30.5) 47.92,31.66 IC2.24
  Bottom w0.2: v1(53.91,51.74) 49.73,47.56 49.73,36.02 49.07,35.36 v1(49.07,30.5) 49.07,27.8 63.62,13.25 v1(64.28,13.25)
/MSX_RESET: length 46
  Top w0.2: v1(71.69,46.48) 71.52,46.65 IC3.99
  Bottom w0.2: BUS1.15 68.34,12.04 73.59,17.3 73.59,42.49 71.69,44.39 v1(71.69,46.48)
/MSX_SLTSL: length 40.3
  Top w0.2: BUS1.4 83.58,12.71 87.42,16.55 87.42,41.39 86.07,42.74 IC3.66
/MSX_WR: length 40.6
  Top w0.2: v1(80.58,37.92) 81.51,37 82.92,37 83.16,37.24 IC3.55
  Bottom w0.2: BUS1.13 70.88,11.72 74.62,15.46 74.62,31.85 80.58,37.81 v1(80.58,37.92)
/RAM_A13: length 53.6
  Top w0.2: IC2.28 42.84,31.73 41.94,30.83 41.23,30.83 40.93,31.13 40.93,33.25 41.2,33.52 41.37,33.52 49.86,42.01 60.18,42.01 60.33,41.86 v1(63.91,41.86) ; IC3.70 81.96,44.74 79.86,42.64 71.79,42.64 v1(71.62,42.47)
  Bottom w0.2: v1(71.62,42.47) 64.52,42.47 v1(63.91,41.86)
/RAM_A14: length 73.7
  Top w0.2: IC3.81 80.52,47.68 v1(80.4,47.55) ; IC2.3 40.02,19.36 v1(40.02,20.75)
  Bottom w0.2: v1(40.02,20.75) 40.02,22.8 42.85,25.62 42.85,45.18 52.89,55.22 69.85,55.22 77.52,47.55 v1(80.4,47.55)
/RAM_A15: length 55.4
  Top w0.2: IC3.82 80.02,49.85 77.9,51.97 64.94,51.97 v1(63.53,50.56) ; v1(61.55,42.57) 61.4,42.43 48.29,42.43 39.03,33.17 IC2.31
  Bottom w0.2: v1(61.55,42.57) 61.55,49.06 63.04,50.56 v1(63.53,50.56)
/RAM_A16: length 74.3
  Top w0.2: v1(40.8,22.15) 40.9,22.05 40.9,17.95 40.69,17.74 39.91,17.74 39.03,18.63 IC2.2 ; v1(75.91,47.43) 77.86,47.43 78.52,48.09 IC3.85
  Bottom w0.2: v1(75.91,47.43) 68.52,54.82 53.17,54.82 43.27,44.91 43.27,25.06 40.8,22.58 v1(40.8,22.15)
/RAM_A17: length 60.2
  Top w0.2: v1(41.08,34.22) 40.3,33.44 IC2.30 ; IC3.86 78.02,49.68 v1(78.6,50.25)
  Bottom w0.2: v1(78.6,50.25) 78.6,52.39 74.97,56.02 52.55,56.02 41.08,44.55 v1(41.08,34.22)
/RAM_A18: length 72.6
  Top w0.2: IC3.87 77.52,50.59 v1(77.64,50.71) ; v1(38.56,21.32) 37.76,20.51 IC2.1
  Bottom w0.2: v1(38.56,21.32) 38.56,23.26 42.44,27.14 42.44,45.35 52.72,55.62 74.53,55.62 77.64,52.51 v1(77.64,50.71)
/RAM_CS: length 39.8
  Top w0.2: IC3.89 76.52,49.67 76.2,50 63.96,50 63.82,49.86 60.06,49.86 v1(60.05,49.87) ; IC2.22 50.46,32.6 55.65,37.79 56.62,37.79 v1(59.73,40.9)
  Bottom w0.2: v1(60.05,49.87) 59.58,49.4 59.58,41.05 v1(59.73,40.9)
/RAM_WE: length 48
  Top w0.2: v1(72,41.46) 72.73,42.19 84.64,42.19 IC3.65 ; v1(67.35,41.09) 60.53,41.09 60.02,41.61 50.55,41.61 41.57,32.62 IC2.29
  Bottom w0.2: v1(72,41.46) 71.63,41.09 v1(67.35,41.09)
/ROM_A14: length 47.6
  Top w0.2: IC1.29 45.55,58.68 46.75,59.88 73.53,59.88 83.48,49.94 83.48,48.07 83.26,47.86 82.29,47.86 82.02,48.12 IC3.78
/ROM_A15: length 48.2
  Top w0.2: IC1.3 43.66,49.79 42.74,50.71 42.74,51.39 43.03,51.68 49.47,51.68 51.4,49.75 55.04,49.75 55.42,50.14 55.42,50.96 55.71,51.24 55.71,53.24 56.71,54.24 58.29,54.24 58.79,53.74 58.79,53.66 59.76,52.69 60.48,52.69 60.56,52.77 78.56,52.77 81.52,49.8 IC3.79
/ROM_A16: length 43.7
  Top w0.2: IC3.80 81.02,49.74 78.39,52.37 64.77,52.37 63.73,51.32 59.98,51.32 58.37,52.93 56.69,52.93 56.11,52.36 56.11,50.7 55.82,50.42 55.82,49.97 55.2,49.35 51.23,49.35 49.52,51.06 IC1.2
/ROM_CS: length 32.3
  Top w0.2: IC1.22 54.44,57.78 55.42,56.81 75.39,56.81 82.52,49.67 IC3.77
/ROM_WE: length 47
  Top w0.2: IC1.31 44.01,54.87 46.19,57.05 46.19,58.69 46.93,59.43 73.39,59.43 83.02,49.8 IC3.76
/SD_CD0: length 50.7
  Top w0.2: R4.1 27.39,45.93 ; 27.39,45.93 J2.9 ; 27.39,45.93 30.48,42.83 60.81,42.83 61.27,43.29 64.8,43.29 65.35,42.74 IC3.10
/SD_CS0: length 81.5
  Top w0.2: v1(76.85,45.5) 75.92,46.43 75.91,46.43 74.52,47.81 IC3.93
  Bottom w0.2: v1(76.85,45.5) 79.38,45.5 81.11,47.23 81.11,50.67 ; 81.11,50.67 81.11,53.52 R9.1 ; 81.11,50.67 72.85,58.93 47.97,58.93 32.9,43.87 R1.2
/SD_MISO: length 56.9
  Top w0.2: 25.19,53.09 26.32,54.22 28.67,54.22 32.49,50.4 32.49,49.25 37.63,44.1 58.4,44.1 60.56,46.26 67.16,46.26 67.68,45.74 IC3.4 ; 25.19,53.09 24.99,53.09 v1(22.83,55.25) ; 25.19,53.09 J2.7
  Bottom w0.2: v1(22.83,55.25) 22.52,54.94 22.37,54.94 U1.6
/SD_MOSI: length 52.5
  Top w0.2: v1(31.91,46.72) 35.4,43.24 60.64,43.24 61.64,44.24 IC3.7
  Bottom w0.2: R3.2 29.07,54.72 29.07,50.89 31.91,48.04 v1(31.91,46.72)
/SD_SCLK: length 57
  Top w0.2: IC3.6 61.58,44.74 60.48,43.64 36.49,43.64 v1(33.41,46.73)
  Bottom w0.2: R2.2 22.99,58.39 26.66,58.39 30.05,55 30.05,50.48 33.41,47.13 v1(33.41,46.73)
Net-(BUS1-SW1): length 14.1
  Top w0.2: BUS1.46 30.24,11.72 32.78,11.72 BUS1.44
Net-(D1-A): length 3.5
  Bottom w0.2: Q1.3 86.78,61.37 D1.2
Net-(D1-K): length 5.7
  Bottom w0.2: R10.2 80.39,57.08 80.39,60.29 D1.1
Net-(IC3-PB00_16/GCK1): length 9.2
  Top w0.2: IC3.22 70.14,36.74 v1(70.72,36.16) ; X1.3 69.51,30.44 70.41,31.33 v1(70.5,31.33)
  Bottom w0.2: v1(70.5,31.33) 70.72,31.55 v1(70.72,36.16)
Net-(IC3-TCK): length 32.2
  Top w0.2: v1(81.7,35.89) 82.18,35.41 82.18,34.77 82.02,34.61 IC3.48
  Bottom w0.2: v1(81.7,35.89) 81.81,35.89 84.44,38.52 84.44,51.13 92.77,59.45 93.06,59.45 JT1.1
Net-(IC3-TDI): length 24.3
  Top w0.2: v1(80.04,35) 80.52,34.51 IC3.45
  Bottom w0.2: JT1.9 93.06,49.29 85.35,41.59 85.35,37.98 81.78,34.41 80.62,34.41 v1(80.04,35)
Net-(IC3-TDO): length 20.5
  Top w0.2: JT1.3 93.06,57.47 83.88,48.29 83.88,47.91 82.76,46.79 80.17,46.79 79.52,47.44 IC3.83
Net-(IC3-TMS): length 27.8
  Top w0.2: IC3.47 81.52,34.64 v1(81.03,35.14)
  Bottom w0.2: v1(81.03,35.14) 81.04,35.15 81.95,35.15 84.9,38.1 84.9,46.49 92.79,54.37 93.06,54.37 JT1.5
Net-(J1-Pin_1): length 32.8
  Bottom w0.2: J1.1 3.51,57.31 5.41,55.41 10.73,55.41 11.46,54.68 11.46,51.12 15.8,46.78 24.35,46.78 25.99,45.14 U1.12
Net-(J1-Pin_3): length 33.3
  Bottom w0.2: U1.11 27.83,47.18 17.35,47.18 15.46,49.07 15.46,58.83 14.45,59.84 7.22,59.84 6.05,58.67 J1.3
Net-(J1-Pin_6): length 15
  Bottom w0.2: J1.6 14.37,61.19 18.37,57.19 U1.4
Net-(J2-CLK): length 8.8
  Top w0.2: J2.5 22.99,53.09 v1(20.36,55.71)
  Bottom w0.2: U1.5 20.37,55.7 v1(20.36,55.71) 20.36,57.58 R2.1
Net-(J2-CMD): length 15.4
  Top w0.2: J2.3 20.79,49.65 21.76,48.68 v1(22.11,48.68)
  Bottom w0.2: v1(22.11,48.68) 23.81,48.68 24.94,49.81 24.94,53.07 U1.7 24.37,57.59 R3.1
Net-(J2-DAT3/CD): length 34.6
  Top w0.2: v1(16.61,45.25) 16.57,45.29 16.57,48.21 19.69,51.33 J2.2
  Bottom w0.2: v1(16.61,45.25) 19.69,42.17 19.69,39.94 ; U1.20 16.37,39.94 18.37,39.94 18.37,39.84 ; 18.37,39.84 18.47,39.94 19.69,39.94 ; 18.37,39.84 U1.19 ; R1.1 31.04,39.94 19.69,39.94
Net-(Q1-B): length 6.8
  Bottom w0.2: R9.2 85.79,57.98 89.16,61.36 Q1.1
Net-(U1-IO0): length 5.5
  Bottom w0.2: R7.1 20.37,35.71 U1.18
Net-(U1-IO2): length 4.8
  Bottom w0.2: R8.1 22.37,33.88 U1.17
Net-(U1-IO15): length 4.8
  Bottom w0.2: U1.16 24.37,33.97 R6.2
Net-(U1-RESET): length 4
  Bottom w0.2: R5.1 12.33,54.98 12.37,54.94 U1.1

## Copper pours and planes (outline as drawn; the poured copper is in the pictures)
+3.3V on In2.Cu: 0.31,64.18 100.65,64.25 100.74,10.78 10.86,10.73 10.86,23.49 0.28,23.49
GND on In1.Cu: 0.34,64.21 100.68,64.28 100.77,10.81 10.89,10.76 10.89,23.52 0.31,23.52

## Text on the board
F.Silkscreen: TCK | TDO | TDI | TMS | GND | +5V | v1.2 | microSD Mapper / WiFi
